# KiCad board GIMIX intelligent 3 port Serial.kicad_pcb
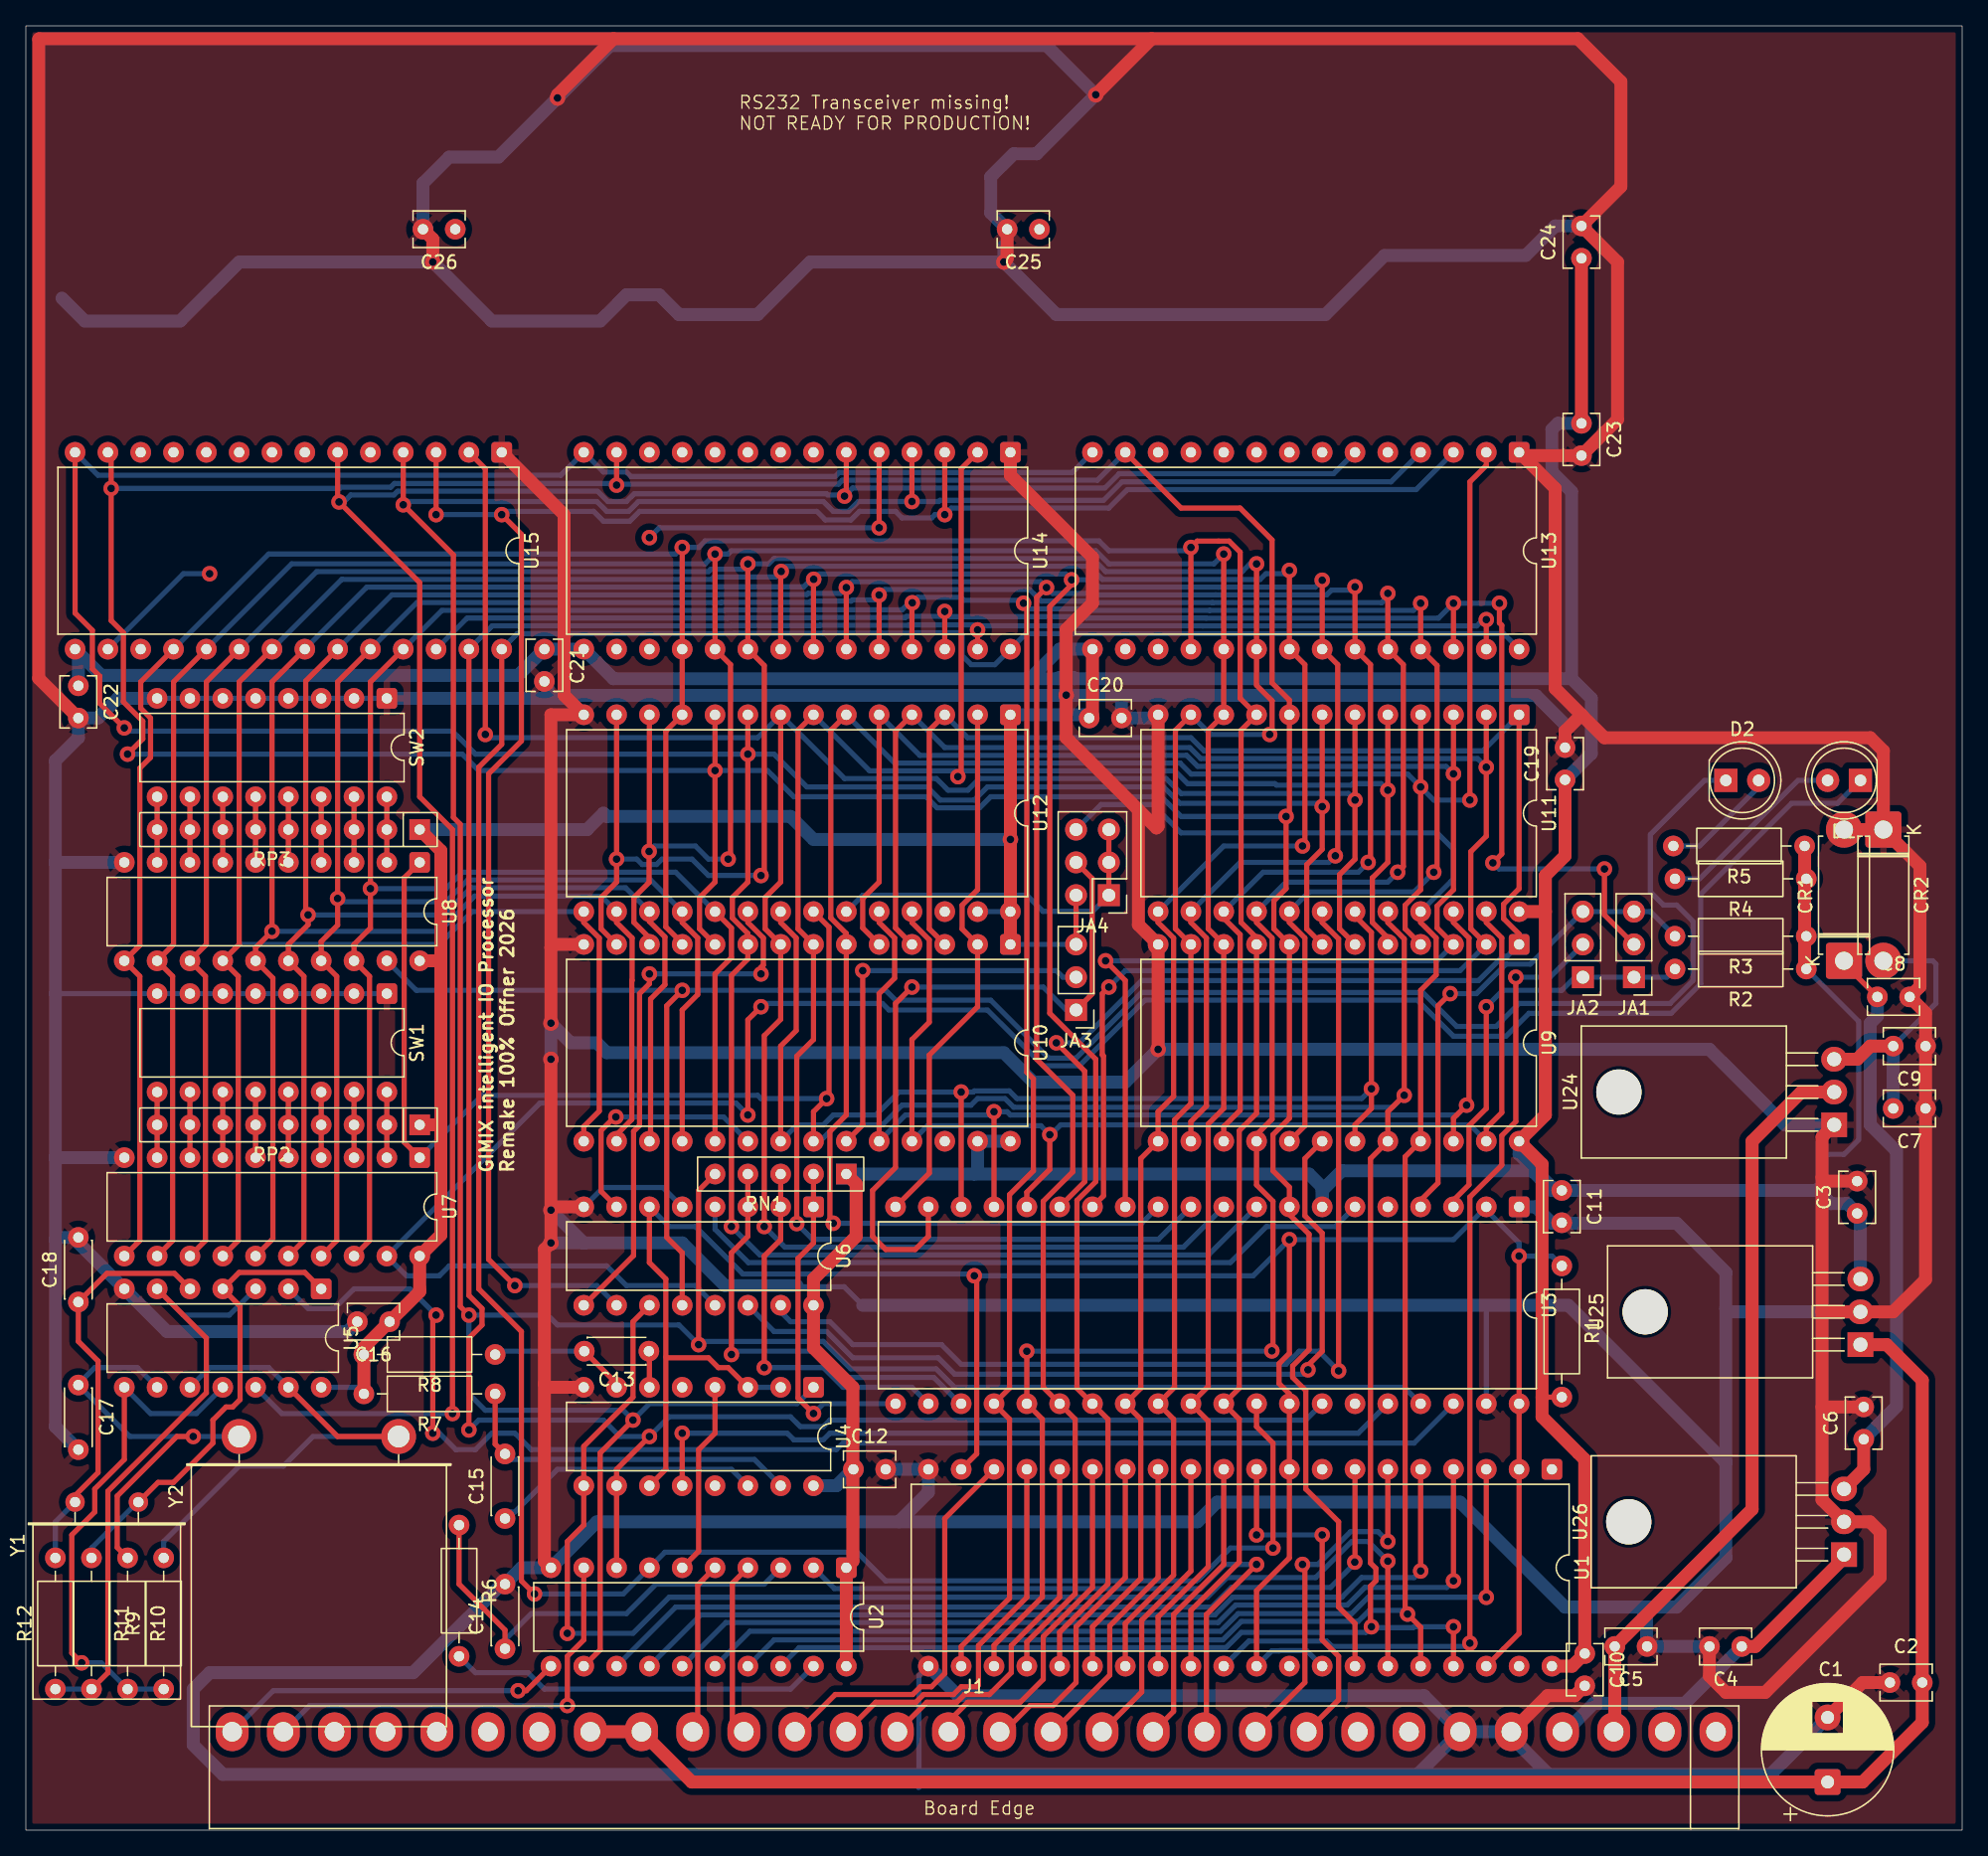
[diagram p0: board, top side]
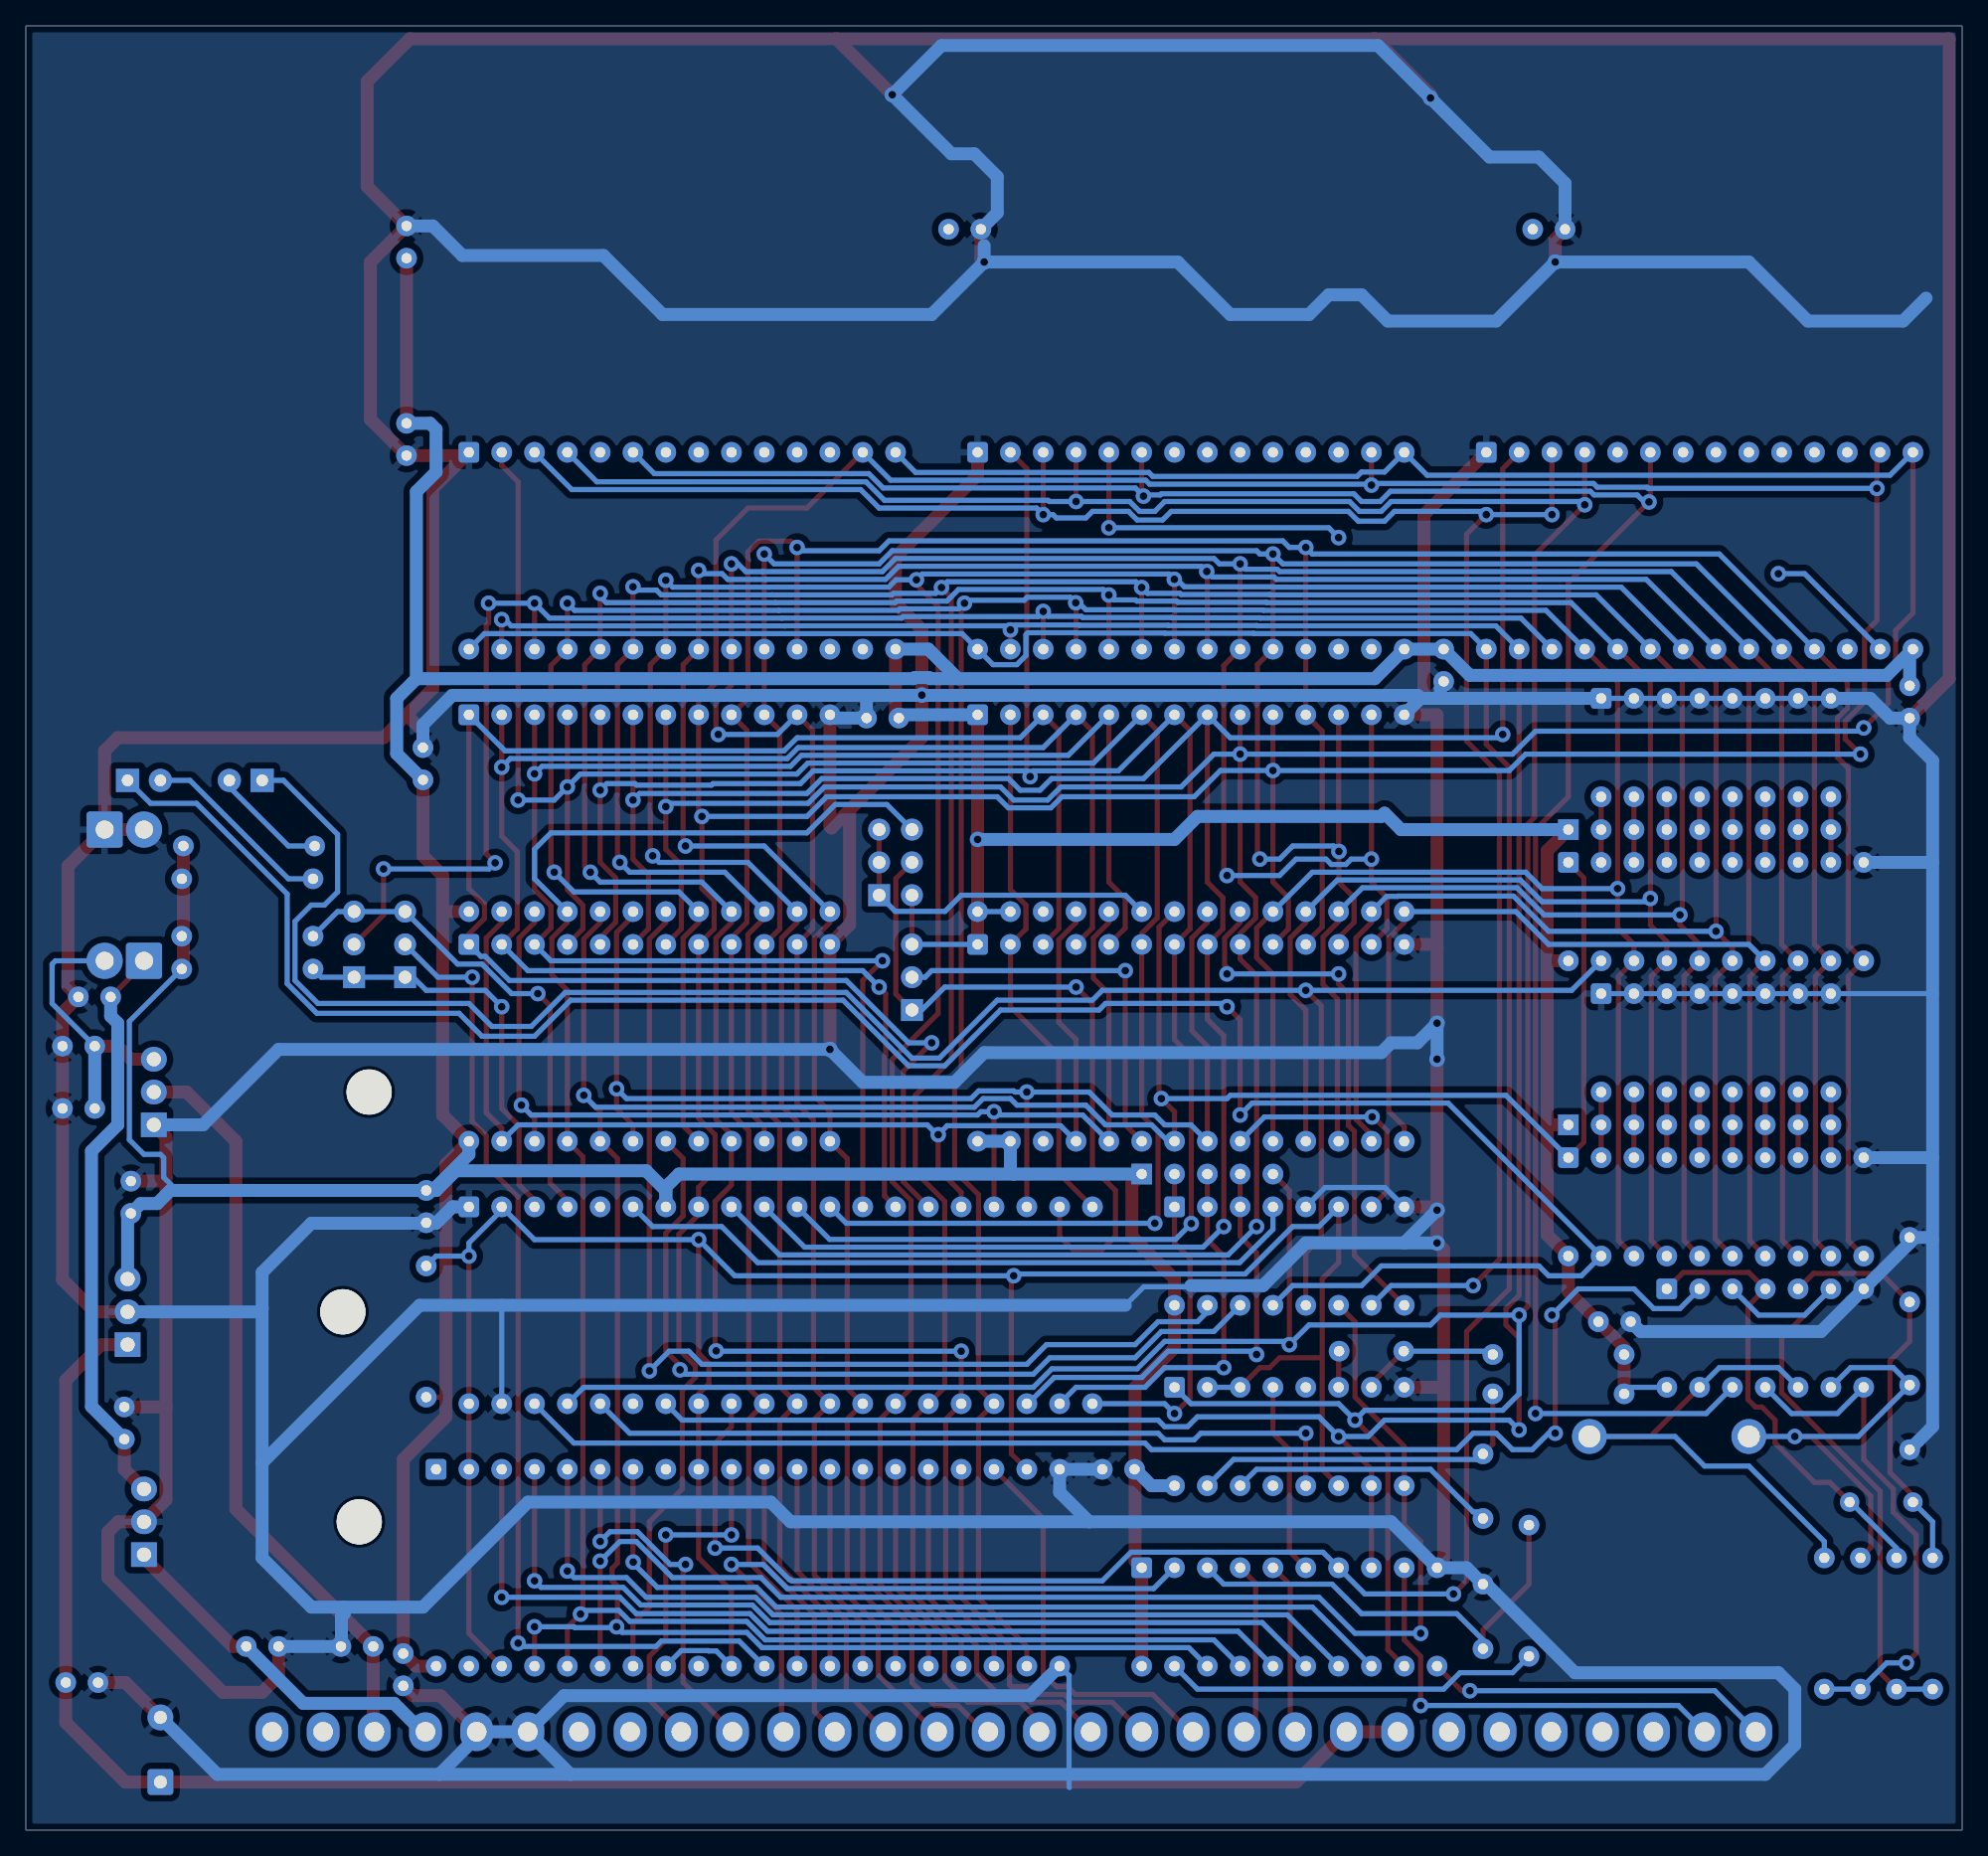
[diagram p1: board, bottom side, seen from below]

Outline 149.86 x 139.7 mm; copper layers: Top, Bottom. Coordinates in mm from the lower left corner of the outline.
Outline path: rectangle 0,139.7 149.86,0

## Placement (name value [footprint] x y rotation side)
C1  10u  [CP_Radial_D10.0mm_P5.00mm]  139.45 3.73 90 top
C2  100n  [C_Disc_D3.8mm_W2.6mm_P2.50mm]  146.77 11.43 180 top
C3  10u  [C_Disc_D3.8mm_W2.6mm_P2.50mm]  141.73 47.75 90 top
C4  10u  [C_Disc_D3.8mm_W2.6mm_P2.50mm]  132.8 14.22 180 top
C5  10u  [C_Disc_D3.8mm_W2.6mm_P2.50mm]  125.48 14.22 180 top
C6  10u  [C_Disc_D3.8mm_W2.6mm_P2.50mm]  142.24 30.27 90 top
C7  10u  [C_Disc_D3.8mm_W2.6mm_P2.50mm]  147.03 55.88 180 top
C8  100n  [C_Disc_D3.8mm_W2.6mm_P2.50mm]  143.3 64.52 0 top
C9  100n  [C_Disc_D3.8mm_W2.6mm_P2.50mm]  147.03 60.71 180 top
C10  100n  [C_Disc_D3.8mm_W2.6mm_P2.50mm]  120.65 13.68 270 top
C11  100n  [C_Disc_D3.8mm_W2.6mm_P2.50mm]  118.87 49.53 270 top
C12  100n  [C_Disc_D3.8mm_W2.6mm_P2.50mm]  64.05 27.94 0 top
C13  ?  [C_Disc_D4.3mm_W1.9mm_P5.00mm]  48.22 37.08 180 top
C14  ?  [C_Disc_D4.3mm_W1.9mm_P5.00mm]  37.08 14.05 90 top
C15  ?  [C_Disc_D4.3mm_W1.9mm_P5.00mm]  37.08 24.13 90 top
C16  100n  [C_Disc_D3.8mm_W2.6mm_P2.50mm]  28.15 39.37 180 top
C17  ?  [C_Disc_D4.3mm_W1.9mm_P5.00mm]  4.06 34.46 270 top
C18  ?  [C_Disc_D4.3mm_W1.9mm_P5.00mm]  4.06 40.89 90 top
C19  100n  [C_Disc_D3.8mm_W2.6mm_P2.50mm]  119.13 81.32 90 top
C20  100n  [C_Disc_D3.8mm_W2.6mm_P2.50mm]  82.3 86.11 0 top
C21  100n  [C_Disc_D3.8mm_W2.6mm_P2.50mm]  40.13 91.44 270 top
C22  100n  [C_Disc_D3.8mm_W2.6mm_P2.50mm]  4.06 88.61 270 top
C23  100n  [C_Disc_D3.8mm_W2.6mm_P2.50mm]  120.4 108.93 270 top
C24  100n  [C_Disc_D3.8mm_W2.6mm_P2.50mm]  120.4 121.71 90 top
C25  100n  [C_Disc_D3.8mm_W2.6mm_P2.50mm]  78.45 123.95 180 top
C26  100n  [C_Disc_D3.8mm_W2.6mm_P2.50mm]  33.23 123.95 180 top
CR1  1N4001  [D_5W_P10.16mm_Horizontal]  140.72 67.31 90 top
CR2  1N4001  [D_5W_P10.16mm_Horizontal]  143.76 77.47 270 top
D1  SW_RD_4000  [LED_D5.0mm]  141.99 81.28 180 top
D2  SW_RD_6000  [LED_D5.0mm]  131.57 81.28 0 top
J1  SS30 Bus  [SS-30_new]  73.39 7.62 0 top
JA1  IRQ Sel  [PinHeader_1x03_P2.54mm_Vertical]  124.46 66.04 180 top
JA2  IRQ Sel  [PinHeader_1x03_P2.54mm_Vertical]  120.51 66.04 180 top
JA3  2k/4k  [PinHeader_1x03_P2.54mm_Vertical]  81.28 63.5 180 top
JA4  RAM/ROM  [PinHeader_2x03_P2.54mm_Vertical]  83.82 72.39 180 top
R1  ?  [R_Axial_DIN0207_L6.3mm_D2.5mm_P10.16mm_Horizontal]  118.87 43.69 270 top
R2  ?  [R_Axial_DIN0207_L6.3mm_D2.5mm_P10.16mm_Horizontal]  137.8 66.67 180 top
R3  ?  [R_Axial_DIN0207_L6.3mm_D2.5mm_P10.16mm_Horizontal]  137.8 69.22 180 top
R4  330E  [R_Axial_DIN0207_L6.3mm_D2.5mm_P10.16mm_Horizontal]  137.8 73.66 180 top
R5  330E  [R_Axial_DIN0207_L6.3mm_D2.5mm_P10.16mm_Horizontal]  137.67 76.2 180 top
R6  ?  [R_Axial_DIN0207_L6.3mm_D2.5mm_P10.16mm_Horizontal]  33.53 23.62 270 top
R7  ?  [R_Axial_DIN0207_L6.3mm_D2.5mm_P10.16mm_Horizontal]  36.32 33.78 180 top
R8  ?  [R_Axial_DIN0207_L6.3mm_D2.5mm_P10.16mm_Horizontal]  36.32 36.83 180 top
R9  ?  [R_Axial_DIN0207_L6.3mm_D2.5mm_P10.16mm_Horizontal]  10.67 10.92 90 top
R10  ?  [R_Axial_DIN0207_L6.3mm_D2.5mm_P10.16mm_Horizontal]  7.87 21.08 270 top
R11  ?  [R_Axial_DIN0207_L6.3mm_D2.5mm_P10.16mm_Horizontal]  5.08 21.08 270 top
R12  ?  [R_Axial_DIN0207_L6.3mm_D2.5mm_P10.16mm_Horizontal]  2.29 10.92 90 top
RN1  ?  [R_Array_SIP5]  63.5 50.8 180 top
RP2  ?  [R_Array_SIP9]  30.48 54.61 180 top
RP3  ?  [R_Array_SIP9]  30.48 77.47 180 top
SW1  SW_DIP_x08  [DIP-16_W7.62mm]  27.94 64.77 270 top
SW2  SW_DIP_x08  [DIP-16_W7.62mm]  27.94 87.63 270 top
U1  Z8038  [DIP-40_W15.24mm]  118.11 27.94 270 top
U2  PAL16L8  [DIP-20_W7.62mm]  63.5 20.32 270 top
U3  MC68B09  [DIP-40_W15.24mm]  115.57 48.26 270 top
U4  74LS221  [DIP-16_W7.62mm]  60.96 34.29 270 top
U5  7404  [DIP-14_W7.62mm]  22.86 41.91 270 top
U6  74LS138  [DIP-16_W7.62mm]  60.96 48.26 270 top
U7  74LS540  [DIP-20_W7.62mm]  30.48 52.07 270 top
U8  74LS540  [DIP-20_W7.62mm]  30.48 74.93 270 top
U9  6116  [DIP-24_W15.24mm]  115.57 68.58 270 top
U10  2764  [DIP-28_W15.24mm]  76.2 68.58 270 top
U11  6116  [DIP-24_W15.24mm]  115.57 86.36 270 top
U12  2764  [DIP-28_W15.24mm]  76.2 86.36 270 top
U13  6551  [DIP-28_W15.24mm]  115.57 106.68 270 top
U14  6551  [DIP-28_W15.24mm]  76.2 106.68 270 top
U15  6551  [DIP-28_W15.24mm]  36.83 106.68 270 top
U24  LM7912_TO220  [TO-220-3_Horizontal_TabDown]  139.95 54.61 90 top
U25  LM7805_TO220  [TO-220-3_Horizontal_TabDown]  141.99 37.59 90 top
U26  LM7812_TO220  [TO-220-3_Horizontal_TabDown]  140.72 21.34 90 top
Y1  8M?  [Crystal_HC49-U_Horizontal]  3.81 25.4 0 top
Y2  8M?  [Crystal_HC33-U_Horizontal]  16.51 30.48 0 top

## Library data of the parts
C1 C3-C7 = -: Description: Polarized capacitor, small symbol; ki_fp_filters: CP_*
C2 C8-C26 = -: Description: Unpolarized capacitor, small symbol; ki_fp_filters: C_*
CR1 CR2 = -: Description: Diode, small symbol, filled shape; Sim.Device: D; Sim.Pins: 1=K 2=A; ki_fp_filters: TO-???* *_Diode_* *SingleDiode* D_*
D1 D2 = -: Description: Light emitting diode, small symbol, filled shape; Sim.Pins: 1=K 2=A; ki_fp_filters: LED* LED_SMD:* LED_THT:*
J1 = -: Description: Generic connector, single row, 01x30, script generated (kicad-library-utils/schlib/autogen/connector/); ki_fp_filters: Connector*:*_1x??_*
JA1 JA2 = -: Description: Jumper, 3-pole, both open; ki_fp_filters: Jumper* TestPoint*3Pads* TestPoint*Bridge*
JA3 = -: Description: Jumper, 3-pole, pins 1+2 closed/bridged; ki_fp_filters: Jumper* TestPoint*3Pads* TestPoint*Bridge*
JA4 = -: Description: Generic connector, double row, 02x03, odd/even pin numbering scheme (row 1 odd numbers, row 2 even numbers), script generated (kicad-library-utils/schlib/autogen/connector/); ki_fp_filters: Connector*:*_2x??_*
R1-R12 = -: Description: Resistor, small symbol; ki_fp_filters: R_*
RN1 = -: Datasheet: http://www.vishay.com/docs/31509/csc.pdf; Description: 4 resistor network, star topology, bussed resistors, small symbol; ki_fp_filters: R?Array?SIP*
RP2 RP3 = -: Datasheet: http://www.vishay.com/docs/31509/csc.pdf; Description: 8 resistor network, star topology, bussed resistors, small symbol; ki_fp_filters: R?Array?SIP*
SW1 SW2 = -: Description: 8x DIP Switch, Single Pole Single Throw (SPST) switch, small symbol; ki_fp_filters: SW?DIP?x8*
U2 = -: Description: Programmable Logic Array, DIP-20/SOIC-20/PLCC-20; ki_fp_filters: DIP* PDIP* SOIC* SO* PLCC*
U3 = -: Datasheet: http://pdf.datasheetcatalog.com/datasheet/motorola/MC68B09S.pdf; Description: 8-Bit Microprocessing unit 2.0MHz, DIP-40; ki_fp_filters: DIP*W15.24mm*
U4 = -: Datasheet: http://www.ti.com/lit/gpn/sn74LS221; Description: Dual Monostable; ki_fp_filters: DIP?16*
U5 = -: Datasheet: http://www.ti.com/lit/gpn/sn74LS04; Description: Hex Inverter; ki_fp_filters: DIP*W7.62mm* SSOP?14* TSSOP?14*
U6 = -: Datasheet: http://www.ti.com/lit/gpn/sn74LS138; Description: Decoder 3 to 8 active low outputs; ki_fp_filters: DIP?16*
U7 U8 = -: Datasheet: http://www.ti.com/lit/gpn/sn74LS540; Description: 8-bit Buffer/Line driver Inverter, 3-state outputs; ki_fp_filters: DIP?20*
U9 U11 = -: Description: SRAM 16 KiBit; ki_fp_filters: DIP*W15.24mm*
U10 U12 = -: Datasheet: https://downloads.reactivemicro.com/Electronics/ROM/2764%20EPROM.pdf; Description: EPROM 64 KiBit, [Obsolete 2000-11]; ki_fp_filters: DIP*W15.24mm*
U13-U15 = -: Datasheet: http://www.6502.org/documents/datasheets/mos/mos_6551_acia.pdf; Description: 6551 NMOS Asynchronous Communication Interface Adapter (ACIA), Serial UART, DIP-28; ki_fp_filters: DIP-28_W15.24mm* PLCC28
U24 = -: Datasheet: https://www.onsemi.com/pub/Collateral/MC7900-D.PDF; Description: Negative 1A 35V Linear Regulator, Fixed Output 15V, TO-220; ki_fp_filters: TO?220*
U25 = -: Datasheet: https://www.onsemi.cn/PowerSolutions/document/MC7800-D.PDF; Description: Positive 1A 35V Linear Regulator, Fixed Output 5V, TO-220; ki_fp_filters: TO?220*
U26 = -: Datasheet: https://www.onsemi.cn/PowerSolutions/document/MC7800-D.PDF; Description: Positive 1A 35V Linear Regulator, Fixed Output 15V, TO-220; ki_fp_filters: TO?220*
Y1 Y2 = -: Description: Two pin crystal, small symbol; ki_fp_filters: Crystal*

## Footprints (pads in the part's own frame, mm; a bottom-side part is the same pattern mirrored in y, then rotated)
C_Disc_D3.8mm_W2.6mm_P2.50mm
  round 1.6 hole 0.8: 1(0,0) 2(2.5,0)
C_Disc_D4.3mm_W1.9mm_P5.00mm
  round 1.6 hole 0.8: 1(0,0) 2(5,0)
CP_Radial_D10.0mm_P5.00mm
  rrect 2x2 hole 1: 1(0,0)
  round 2 hole 1: 2(5,0)
Crystal_HC33-U_Horizontal
  round 2.7 hole 1.7: 1(0,0) 2(12.34,0)
Crystal_HC49-U_Horizontal
  round 1.5 hole 0.8: 1(0,0) 2(4.9,0)
D_5W_P10.16mm_Horizontal
  rrect 2.8x2.8 hole 1.4: 1(0,0)
  round 2.8 hole 1.4: 2(10.16,0)
DIP-14_W7.62mm
  rrect 1.6x1.6 hole 0.8: 1(0,0)
  round 1.6 hole 0.8: 2(0,-2.54) 3(0,-5.08) 4(0,-7.62) 5(0,-10.16) 6(0,-12.7) 7(0,-15.24) 8(7.62,-15.24) 9(7.62,-12.7) 10(7.62,-10.16) 11(7.62,-7.62) 12(7.62,-5.08) 13(7.62,-2.54) 14(7.62,0)
DIP-16_W7.62mm
  rrect 1.6x1.6 hole 0.8: 1(0,0)
  round 1.6 hole 0.8: 2(0,-2.54) 3(0,-5.08) 4(0,-7.62) 5(0,-10.16) 6(0,-12.7) 7(0,-15.24) 8(0,-17.78) 9(7.62,-17.78) 10(7.62,-15.24) 11(7.62,-12.7) 12(7.62,-10.16) 13(7.62,-7.62) 14(7.62,-5.08) 15(7.62,-2.54) 16(7.62,0)
DIP-20_W7.62mm
  rrect 1.6x1.6 hole 0.8: 1(0,0)
  round 1.6 hole 0.8: 2(0,-2.54) 3(0,-5.08) 4(0,-7.62) 5(0,-10.16) 6(0,-12.7) 7(0,-15.24) 8(0,-17.78) 9(0,-20.32) 10(0,-22.86) 11(7.62,-22.86) 12(7.62,-20.32) 13(7.62,-17.78) 14(7.62,-15.24) 15(7.62,-12.7) 16(7.62,-10.16) 17(7.62,-7.62) 18(7.62,-5.08) 19(7.62,-2.54) 20(7.62,0)
DIP-24_W15.24mm
  rrect 1.6x1.6 hole 0.8: 1(0,0)
  round 1.6 hole 0.8: 2(0,-2.54) 3(0,-5.08) 4(0,-7.62) 5(0,-10.16) 6(0,-12.7) 7(0,-15.24) 8(0,-17.78) 9(0,-20.32) 10(0,-22.86) 11(0,-25.4) 12(0,-27.94) 13(15.24,-27.94) 14(15.24,-25.4) 15(15.24,-22.86) 16(15.24,-20.32) 17(15.24,-17.78) 18(15.24,-15.24) 19(15.24,-12.7) 20(15.24,-10.16) 21(15.24,-7.62) 22(15.24,-5.08) 23(15.24,-2.54) 24(15.24,0)
DIP-28_W15.24mm
  rrect 1.6x1.6 hole 0.8: 1(0,0)
  round 1.6 hole 0.8: 2(0,-2.54) 3(0,-5.08) 4(0,-7.62) 5(0,-10.16) 6(0,-12.7) 7(0,-15.24) 8(0,-17.78) 9(0,-20.32) 10(0,-22.86) 11(0,-25.4) 12(0,-27.94) 13(0,-30.48) 14(0,-33.02) 15(15.24,-33.02) 16(15.24,-30.48) 17(15.24,-27.94) 18(15.24,-25.4) 19(15.24,-22.86) 20(15.24,-20.32) 21(15.24,-17.78) 22(15.24,-15.24) 23(15.24,-12.7) 24(15.24,-10.16) 25(15.24,-7.62) 26(15.24,-5.08) 27(15.24,-2.54) 28(15.24,0)
DIP-40_W15.24mm
  rrect 1.6x1.6 hole 0.8: 1(0,0)
  round 1.6 hole 0.8: 2(0,-2.54) 3(0,-5.08) 4(0,-7.62) 5(0,-10.16) 6(0,-12.7) 7(0,-15.24) 8(0,-17.78) 9(0,-20.32) 10(0,-22.86) 11(0,-25.4) 12(0,-27.94) 13(0,-30.48) 14(0,-33.02) 15(0,-35.56) 16(0,-38.1) 17(0,-40.64) 18(0,-43.18) 19(0,-45.72) 20(0,-48.26) 21(15.24,-48.26) 22(15.24,-45.72) 23(15.24,-43.18) 24(15.24,-40.64) 25(15.24,-38.1) 26(15.24,-35.56) 27(15.24,-33.02) 28(15.24,-30.48) 29(15.24,-27.94) 30(15.24,-25.4) 31(15.24,-22.86) 32(15.24,-20.32) 33(15.24,-17.78) 34(15.24,-15.24) 35(15.24,-12.7) 36(15.24,-10.16) 37(15.24,-7.62) 38(15.24,-5.08) 39(15.24,-2.54) 40(15.24,0)
LED_D5.0mm
  rect 1.8x1.8 hole 0.9: 1(0,0)
  round 1.8 hole 0.9: 2(2.54,0)
PinHeader_1x03_P2.54mm_Vertical
  rect 1.7x1.7 hole 1: 1(0,0)
  round 1.7 hole 1: 2(0,-2.54) 3(0,-5.08)
PinHeader_2x03_P2.54mm_Vertical
  rect 1.7x1.7 hole 1: 1(0,0)
  round 1.7 hole 1: 2(2.54,0) 3(0,-2.54) 4(2.54,-2.54) 5(0,-5.08) 6(2.54,-5.08)
R_Array_SIP5
  rect 1.6x1.6 hole 0.8: 1(0,0)
  round 1.6 hole 0.8: 2(2.54,0) 3(5.08,0) 4(7.62,0) 5(10.16,0)
R_Array_SIP9
  rect 1.6x1.6 hole 0.8: 1(0,0)
  round 1.6 hole 0.8: 2(2.54,0) 3(5.08,0) 4(7.62,0) 5(10.16,0) 6(12.7,0) 7(15.24,0) 8(17.78,0) 9(20.32,0)
R_Axial_DIN0207_L6.3mm_D2.5mm_P10.16mm_Horizontal
  round 1.6 hole 0.8: 1(0,0) 2(10.16,0)
SS-30_new
  oval 2.54x3 hole 1.52: 1(57.42,0) 2(53.46,0) 3(49.5,0) 4(45.54,0) 5(41.58,0) 6(37.62,0) 7(33.66,0) 8(29.7,0) 9(25.74,0) 10(21.78,0) 11(17.82,0) 12(13.86,0) 13(9.9,0) 14(5.94,0) 15(1.98,0) 16(-1.98,0) 17(-5.94,0) 18(-9.9,0) 19(-13.86,0) 20(-17.82,0) 21(-21.78,0) 22(-25.74,0) 23(-29.7,0) 24(-33.66,0) 25(-37.62,0) 26(-41.58,0) 27(-45.54,0) 28(-49.5,0) 29(-53.46,0) 30(-57.42,0)
TO-220-3_Horizontal_TabDown
  round 3.5 hole 3.5 unplated: (2.54,16.66)
  rect 1.905x2 hole 1.1: 1(0,0)
  oval 1.905x2 hole 1.1: 2(2.54,0) 3(5.08,0)

## Nets
+5V: C3.1 C10.1 C11.1 C12.1 C16.1 C19.1 C20.1 C21.1 C22.1 C23.1 C24.1 C25.1 C26.1 JA3.3 JA4.2 R1.2 R2.1 R3.1 R4.1 R5.1 R7.2 R8.2 RN1.1 RP2.1 RP3.1 U1.40 U2.1 U2.20 U3.7 U4.16 U5.14 U6.16 U7.20 U8.20 U9.24 U10.1 U10.27 U10.28 U11.24 U12.1 U12.27 U12.28 U13.15 U14.15 U15.15 U25.3
+8V: C1.1 C2.1 J1.22 J1.23 U25.1
+12V: C6.1 C8.1 CR1.1 U26.3
+15V: C4.1 J1.4 U26.1
-12V: C7.2 C9.2 CR2.2 U24.3
-15V: C5.2 J1.3 U24.2
GND: C1.2 C2.2 C3.2 C4.2 C5.1 C6.2 C7.1 C8.2 C9.1 C10.2 C11.2 C12.2 C14.2 C16.2 C17.2 C18.2 C19.2 C20.2 C21.2 C22.2 C23.2 C24.2 C25.2 C26.2 CR1.2 CR2.1 J1.5 J1.6 SW1.1 SW1.2 SW1.3 SW1.4 SW1.5 SW1.6 SW1.7 SW1.8 SW2.1 SW2.2 SW2.3 SW2.4 SW2.5 SW2.6 SW2.7 SW2.8 U1.20 U1.21 U2.10 U3.1 U3.39 U4.8 U5.7 U6.5 U6.8 U7.10 U8.10 U9.12 U10.14 U11.12 U12.14 U13.1 U14.1 U15.1 U24.1 U25.2 U26.2
/110B: J1.28
/150B: J1.27
/300B: J1.26
/600B: J1.25
/1200B: J1.24
/BA: U3.6 U6.4
/BD0: J1.12 U1.11
/BD1: J1.13 U1.12
/BD2: J1.14 U1.13
/BD3: J1.15 U1.14
/BD4: J1.16 U1.15
/BD5: J1.17 U1.16
/BD6: J1.18 U1.17
/BD7: J1.19 U1.18
/BE: J1.20 U2.4
/BR/~{W}: J1.21 U2.5
/CA0: U1.34 U3.8 U9.8 U10.10 U11.8 U12.10 U13.13 U14.13 U15.13
/CA1: U3.9 U9.7 U10.9 U11.7 U12.9 U13.14 U14.14 U15.14
/CA2: U3.10 U9.6 U10.8 U11.6 U12.8 U15.2
/CA3: U3.11 U9.5 U10.7 U11.5 U12.7 U14.2
/CA4: U3.12 U9.4 U10.6 U11.4 U12.6 U13.2
/CA5: U3.13 U9.3 U10.5 U11.3 U12.5
/CA6: U3.14 U9.2 U10.4 U11.2 U12.4
/CA7: U3.15 U9.1 U10.3 U11.1 U12.3
/CA8: U3.16 U9.23 U10.25 U11.23 U12.25
/CA9: U3.17 U9.22 U10.24 U11.22 U12.24
/CA10: U3.18 U9.19 U10.21 U11.19 U12.21
/CA11: JA3.1 JA4.4 U3.19
/CA12: U3.20 U10.2 U12.2
/CA13: RN1.2 U3.21 U6.1
/CA14: RN1.3 U3.22 U6.2
/CA15: RN1.4 U3.23 U6.3
/CD0: U1.29 U3.31 U7.11 U8.11 U9.9 U10.11 U11.9 U12.11 U13.18 U14.18 U15.18
/CD1: U1.28 U3.30 U7.12 U8.12 U9.10 U10.12 U11.10 U12.12 U13.19 U14.19 U15.19
/CD2: U1.27 U3.29 U7.13 U8.13 U9.11 U10.13 U11.11 U12.13 U13.20 U14.20 U15.20
/CD3: U1.26 U3.28 U7.14 U8.14 U9.13 U10.15 U11.13 U12.15 U13.21 U14.21 U15.21
/CD4: U1.25 U3.27 U7.15 U8.15 U9.14 U10.16 U11.14 U12.16 U13.22 U14.22 U15.22
/CD5: U1.24 U3.26 U7.16 U8.16 U9.15 U10.17 U11.15 U12.17 U13.23 U14.23 U15.23
/CD6: U1.23 U3.25 U7.17 U8.17 U9.16 U10.18 U11.16 U12.18 U13.24 U14.24 U15.24
/CD7: U1.22 U3.24 U7.18 U8.18 U9.17 U10.19 U11.17 U12.19 U13.25 U14.25 U15.25
/CPUCLK: U3.38 U5.2
/E: U2.8 U3.34 U4.10 U13.27 U14.27 U15.27
/MRDY: U3.36 U4.12
/R/~{W}: U2.7 U3.32 U13.28 U14.28 U15.28
/RS0: J1.10 U1.6
/RS1: J1.11 U2.2
/RS2: J1.1
/RS3: J1.2
/SCLK: U5.12 U13.6 U14.6 U15.6
/~{0000}: U6.15 U11.18
/~{2000}: U6.14 U9.18
/~{4000}: D1.1 U6.13 U7.19
/~{6000}: D2.1 U6.12 U8.19
/~{8000}: U1.35 U4.9 U6.11
/~{A000}: U6.10 U13.3 U14.3 U15.3
/~{C000}: U6.9 U12.20
/~{CFIRQ}: JA1.3 JA2.3 R3.2 U3.4
/~{CIRQ}: JA1.1 JA2.1 R2.2 U3.3
/~{E000}: U6.7 U10.20
/~{FIRQ}: J1.8
/~{IOSEL}: J1.30 U2.11
/~{IRQ}: J1.9 U1.10
/~{RD}: U1.37 U2.18 U7.1 U8.1 U9.20 U10.22 U11.20 U12.22
/~{RESET}: J1.29 U2.9
/~{RST}: RN1.5 U2.12 U3.37 U4.1 U13.4 U14.4 U15.4
/~{SIRQ}: JA1.2 U13.26 U14.26 U15.26
/~{WR}: JA4.6 U1.36 U2.17 U9.21 U11.21
PU: R1.1 U1.2 U1.9 U1.19 U1.31 U1.33 U1.38 U3.2 U3.33 U3.40 U4.2 U4.3 U4.11 U6.6
Net-(C17-Pad1): C17.1 R10.1 U5.9 Y2.1
Net-(C18-Pad1): C18.1 R12.2 U5.5 Y1.1
Net-(D1-A): D1.2 R4.2
Net-(D2-A): D2.2 R5.2
Net-(JA2-C): JA2.2 U1.30
Net-(JA3-C): JA3.2 U10.23
Net-(JA4-Pin_1): JA4.1 JA4.3 JA4.5 U12.23
Net-(R9-Pad2): R9.2 U5.10 U5.13 Y2.2
Net-(R10-Pad2): R9.1 R10.2 U5.8 U5.11
Net-(R11-Pad1): R11.1 U5.1 U5.4 Y1.2
Net-(R11-Pad2): R11.2 R12.1 U5.3 U5.6
Net-(RP2-R1): RP2.2 SW1.16 U7.2
Net-(RP2-R2): RP2.3 SW1.15 U7.3
Net-(RP2-R3): RP2.4 SW1.14 U7.4
Net-(RP2-R4): RP2.5 SW1.13 U7.5
Net-(RP2-R5): RP2.6 SW1.12 U7.6
Net-(RP2-R6): RP2.7 SW1.11 U7.7
Net-(RP2-R7): RP2.8 SW1.10 U7.8
Net-(RP2-R8): RP2.9 SW1.9 U7.9
Net-(RP3-R1): RP3.2 SW2.16 U8.2
Net-(RP3-R2): RP3.3 SW2.15 U8.3
Net-(RP3-R3): RP3.4 SW2.14 U8.4
Net-(RP3-R4): RP3.5 SW2.13 U8.5
Net-(RP3-R5): RP3.6 SW2.12 U8.6
Net-(RP3-R6): RP3.7 SW2.11 U8.7
Net-(RP3-R7): RP3.8 SW2.10 U8.8
Net-(RP3-R8): RP3.9 SW2.9 U8.9
Net-(U1-CA): U1.3 U2.16
Net-(U1-DA): U1.4 U2.15
Net-(U1-EA): U1.5 U2.14
Net-(U1-GA): U1.7 U2.13
Net-(U2-I3): C14.1 R6.1 U2.3
Net-(U2-I6): U2.6 U4.4
Net-(U2-IO1): R6.2 U2.19
Net-(U4A-Cext): C15.1 U4.14
Net-(U4A-RCext): C15.2 R7.1 U4.15
Net-(U4B-Cext): C13.1 U4.6
Net-(U4B-RCext): C13.2 R8.1 U4.7

Pads without a net: J1 7; U1 1 8 32 39; U3 5 35; U4 5 13; U10 26; U12 26; U13 5 7 8 9 10 11 12 16 17; U14 5 7 8 9 10 11 12 16 17; U15 5 7 8 9 10 11 12 16 17

## Via types
v1: diameter 1.2, hole 0.6, Top to Bottom, 143 vias
